# Altium PCB PCB1.PcbDoc (part 2 of 4)
Units mm, origin at the board's own origin, x right, y up, seen from the top; angles counter-clockwise.
Board outline 56.01 x 67.94 mm, 2 copper layers (Top Layer, Bottom Layer); 131 components, 109 nets, 548 pads, 93 vias.
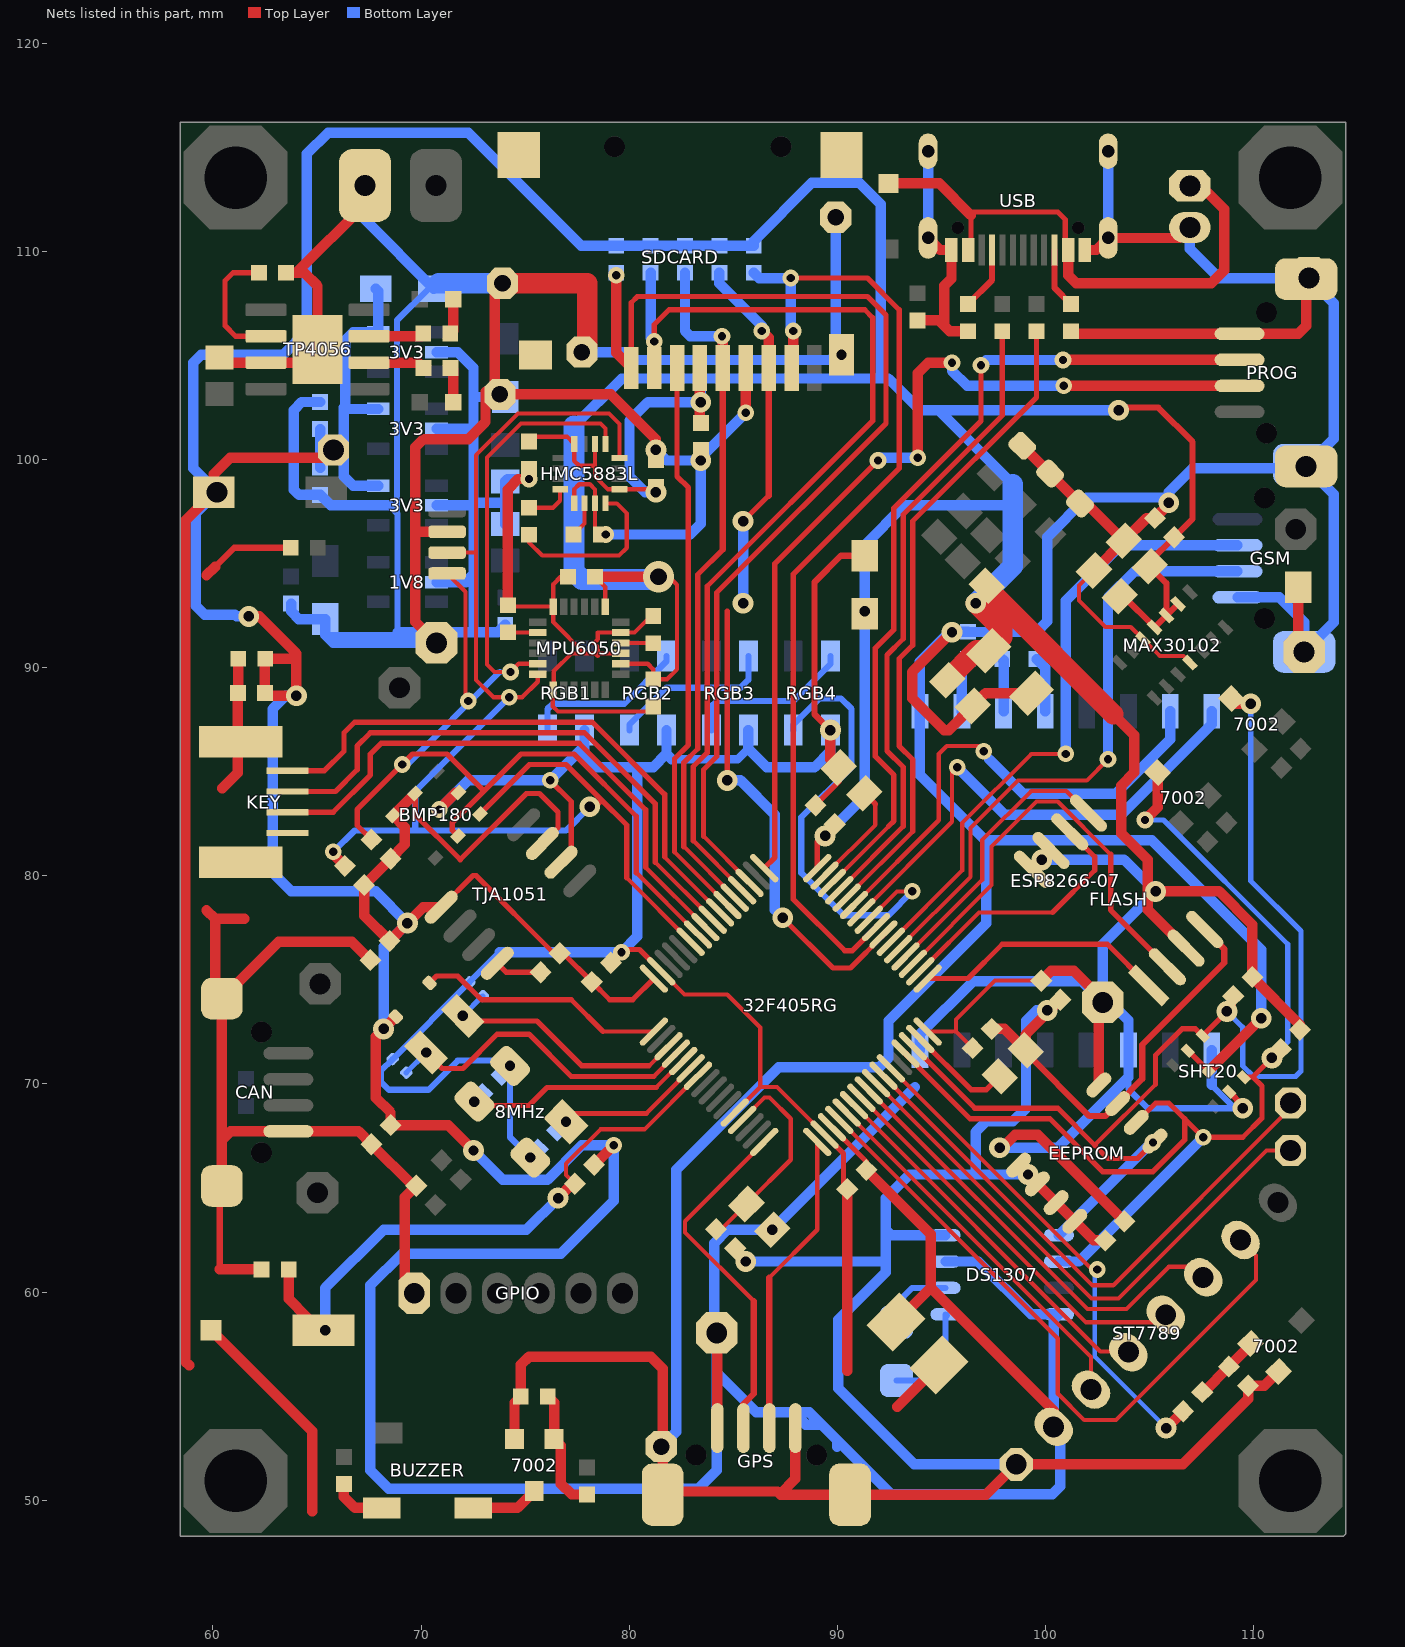
[diagram p2: the nets of this part, all layers, seen from the top]

## Via types
v1: diameter 1, hole 0.5, Top Layer to Bottom Layer, 58 vias
v2: diameter 0.8, hole 0.4, Top Layer to Bottom Layer, 33 vias
v3: diameter 1.5, hole 0.8, Top Layer to Bottom Layer, 2 vias

## Nets (pads, with @x,y where several pads share a name; then routed paths per layer and width w, separated by ;. In a path a pad name is that pad's centre, name@x,y a point inside that pad or via, vN(x,y) a via of type N, cw(c..) or ccw(c..) an arc to the next point about the centre after c; other vN are vias at no path point) (continued)
GND: 1k2.1 1K.1@69.771,65.103 1K.1@96.266,91.724 1K.2@97.917,91.709 1K.2@99.568,91.709 1V8.2 3V3.2 5K1.1@96.266,106.157 5K1.2@101.219,106.157 5V.2 8MHz.2 8MHz.4 10K.1@74.788,54.991 10K.1@109.728,55.499 10K.2@63.739,95.758 22p.1 32F405RG.12 32F405RG.18 32F405RG.63 104.1@62.342,61.087 104.1@63.754,93.076 104.1@65.151,98.298 104.1@65.151,102.758 104.1@67.564,75.946 104.1@67.612,67.104 104.1@74.041,92.06 104.1@74.041,96.887 104.1@74.041,98.947 104.1@75.184,99.553 104.1@77.059,94.361 104.1@79.121,75.819 104.1@81.28,99.979 104.1@81.153,88.138 104.1@81.153,92.471 104.1@83.439,100.457 104.1@88.948,83.391 104.1@90.472,64.945 104.1@93.853,106.68 104.1@97.409,72.644 104.1@100.711,74.041 104.1@105.253,97.185 104.2@61.214,90.424 104.2@85.09,62.103 104.2@96.504,88.154 104.2@102.87,62.484 106.1 107.1@60.325,104.888 107.1@90.059,85.201 107.1@99.044,71.612 107.2@65.405,92.329 107.2@70.612,108.204 107.2@74.041,102.997 107.2@94.885,56.499 107.2@99.323,88.764 107.2@102.327,94.663 223.1@74.168,92.994 227.2 476.2 7002.2@74.488,52.939 7002.2@111.199,56.187 -B.2 ?.2 BMP180.7 C17.2 CAN.1 CAN.@60.427,65.096 CAN.@60.427,74.096 DS1307.4 EEPROM.1 EEPROM.2 EEPROM.3 EEPROM.4 EEPROM.7 ERR.2 ESP8266-07.9 FLASH.4 GPIO.1 GPS.1 GPS.@81.606,50.267 GPS.@90.606,50.267 GSM.1 GSM.@112.42,90.75 GSM.@112.42,99.75 HMC5883L.9 HMC5883L.11 KEY.4 KEY.8 MAX30102.4 MAX30102.12 MPU6050.1 MPU6050.9 MPU6050.11 MPU6050.18 pad.7 pad.8 pad.9 pad.10 pad.13 pad.14 pad.23 pad.25 pad.26 pad.27 PROG.1 PROG.@112.517,99.661 PROG.@112.517,108.661 RESET.2 RGB1.3 RGB2.3 RGB3.3 RGB4.3 RUN.2 SDCARD.6 SDCARD.10 SHT20.2 SHT20.7 ST7789.1 TJA1051.2 TP4056.3 TP4056.9 USB.A1_B12 USB.B1_A12 USB.S1 USB.S2 USB.S3 USB.S4 | length 715.4
  Top Layer w0.2: 223.1@74.168,92.994 74.236,92.926 MPU6050.18@76.347,92.926 ; 104.1@77.059,94.361 76.708,94.361 76.347,94 MPU6050.18@76.347,92.926 ; HMC5883L.9@77.355,97.889 77.355,98.564 77.597,98.806 78.105,98.806 78.355,98.556 HMC5883L.11@78.355,97.889 78.355,96.666 476.2@78.628,96.393 v2(78.867,96.393) ; 77.601,90.682 77.22,90.682 76.372,89.834 76.372,88.963 MPU6050.1@76.347,88.938 76.327,88.918 76.327,88.138 76.581,87.884 80.899,87.884 104.1@81.153,88.138 ; 78.609,90.682 MPU6050.9@79.591,90.682 ; 104.1@81.153,92.471 81.041,92.471 80.252,91.682 MPU6050.11@79.591,91.682 78.486,91.682 78.486,91.359 78.301,91.174 78.486,90.99 78.486,90.551 78.355,90.682 77.847,90.682 76.347,92.182 MPU6050.18@76.347,92.926 ; 32F405RG.63@81.534,75.413 82.653,74.295 84.709,74.295 86.295,72.709 86.295,69.85 ; 32F405RG.12@85.07,68.625 86.295,69.85 ; 32F405RG.18@89.383,67.564 87.098,69.85 86.295,69.85 ; 107.2@102.327,94.663 101.6,93.936 101.6,93.218 102.87,91.948 104.09,91.948 MAX30102.12@104.674,91.364 105.487,90.551 106.618,90.551 MAX30102.4@106.937,90.232
  Top Layer w0.254: 107.1@60.325,104.888 107.1@60.565,104.648 ; TP4056.9@64.389,104.648 TP4056.9@65.024,105.283 ; BMP180.7@71.673,83.992 BMP180.7@71.8,83.992 ; v2(76.2,84.582) 77.216,83.566 77.216,81.144 TJA1051.2@76.724,80.652 ; 104.1@79.121,75.819 v2(79.629,76.327) 79.756,76.454 80.494,76.454 32F405RG.63@81.534,75.413 ; 104.1@88.948,83.391 90.059,84.502 107.1@90.059,85.201 ; 32F405RG.18@89.383,67.564 90.297,66.651 90.297,65.121 104.1@90.472,64.945 ; SHT20.2@106.833,71.602 SHT20.7@107.823,70.612
  Top Layer w0.3: 60.106,94.844 61.02,95.758 10K.2@63.739,95.758 ; 60.325,61.087 60.325,64.994 CAN.@60.427,65.096 ; v1(89.662,86.995) 88.9,87.757 88.9,94.107 90.17,95.377 227.2@91.313,95.377 ; 107.1@99.044,71.612 99.044,71.517 102.108,68.453 102.861,68.453 EEPROM.7@103.459,69.051 104.648,70.24 104.648,71.882 108.585,75.819 108.585,76.481 FLASH.4@107.645,77.421
  Top Layer w0.5: 59.69,78.341 60.106,77.925 ; 59.69,94.428 60.106,94.844 ; RESET.2@59.911,58.166 64.77,53.307 64.77,49.472 ; 60.325,61.087 104.1@62.342,61.087 ; CAN.@60.427,65.096 60.427,67.285 ; 60.452,84.201 61.199,84.948 KEY.8@61.199,86.578 ; 107.1@60.565,104.648 TP4056.3@62.549,104.648 TP4056.9@64.389,104.648 ; 104.2@61.214,90.424 61.214,88.788 C17.2@61.199,88.773 KEY.8@61.199,86.578 ; KEY.8@61.341,86.436 KEY.8@61.199,86.578 ; 61.506,77.925 60.106,77.925 ; 61.912,75.582 63.166,76.835 ; 1k2.1@63.515,108.966 64.008,108.966 ; TP4056.9@65.024,105.283 65.024,108.331 64.389,108.966 64.008,108.966 ; -B.2@67.31,113.157 67.31,112.268 64.008,108.966 ; 104.1@67.564,75.946 66.675,76.835 63.166,76.835 ; GPIO.1@69.676,59.944 69.215,60.405 69.215,64.546 1K.1@69.771,65.103 69.614,65.103 104.1@67.612,67.104 66.996,67.721 CAN.1@63.627,67.721 60.863,67.721 60.427,67.285 ; pad.13@70.739,91.186 69.723,92.202 69.723,96.52 ; v2(70.866,83.185) BMP180.7@71.673,83.992 ; ?.2@71.247,96.52 69.723,96.52 ; pad.14@73.914,108.458 73.533,108.077 pad.23@73.533,103.251 ; 223.1@74.168,92.994 74.168,98.552 74.676,99.06 v2(75.184,99.06) ; 7002.2@74.488,52.939 74.488,54.691 10K.1@74.788,54.991 74.788,56.5 75.184,56.896 81.026,56.896 81.606,56.316 GPS.@81.606,50.982 ; v1(81.28,100.457) 81.28,100.965 79.121,103.124 pad.23@73.787,103.124 73.533,103.124 pad.23@73.533,103.251 ; GPS.@81.606,50.267 GPS.@81.606,50.982 ; v2(85.596,102.235) SDCARD.6@85.596,104.394 ; GPS.1@87.981,53.467 87.981,51.024 87.249,50.292 ; v1(89.662,86.995) 89.662,85.598 107.1@90.059,85.201 ; 90.472,56.213 104.1@90.472,64.945 ; 92.87,54.483 107.2@94.885,56.499 ; 104.1@93.853,106.68 94.869,106.68 95.138,106.411 ; USB.S2@94.354,110.638 94.934,110.058 USB.B1_A12@95.479,110.058 95.479,108.687 95.138,108.346 95.138,106.411 ; v1(95.504,91.694) 93.599,89.789 93.599,88.519 95.123,86.995 95.344,86.995 104.2@96.504,88.154 97.113,88.764 107.2@99.323,88.764 ; 5K1.1@96.266,106.157 95.392,106.157 95.138,106.411 ; 104.1@97.409,72.644 98.011,72.644 107.1@99.044,71.612 99.044,72.374 104.1@100.711,74.041 ; EEPROM.1@98.707,66.095 EEPROM.2@99.605,65.197 EEPROM.3@100.503,64.299 EEPROM.4@101.401,63.401 102.318,62.484 104.2@102.87,62.484 ; ERR.2@98.878,100.656 RUN.2@100.217,99.317 3V3.2@101.654,97.88 101.983,97.88 106.1@103.764,96.1 ; 5K1.2@101.219,106.157 101.34,106.036 PROG.1@109.317,106.036 112.132,106.036 112.517,106.421 PROG.@112.517,108.661 ; USB.A1_B12@101.879,110.058 102.424,110.058 USB.S1@103.004,110.638 106.431,110.638 5V.2@106.934,111.141 ; 107.2@102.327,94.663 106.1@103.764,96.1 ; v1(105.918,97.917) 105.918,97.85 104.1@105.253,97.185 104.849,97.185 106.1@103.764,96.1 ; SHT20.7@107.823,70.612 v1(110.363,73.152) ; 7002.2@111.199,56.187 110.51,55.499 10K.1@109.728,55.499 109.728,54.864 106.59,51.726 ST7789.1@98.589,51.726 97.13,50.267 GPS.@90.606,50.267 87.274,50.267 87.249,50.292 ; 227.2@112.141,93.853 112.141,91.029 pad.9@112.42,90.75 ; 60.106,77.925 60.106,74.417 CAN.@60.427,74.096 ; 60.427,67.285 CAN.@60.427,74.096 ; CAN.@60.427,74.096 63.166,76.835 ; 69.723,96.52 69.723,100.584 70.109,100.97 72.268,100.97 73.094,101.796 73.094,103.251 pad.23@73.533,103.251 ; GPS.@81.606,50.982 82.169,50.419 87.122,50.419 87.249,50.292
  Top Layer w1: pad.14@73.914,108.458 77.978,108.458 77.978,105.41 pad.25@77.724,105.156
  Bottom Layer w0.3: 107.2@65.405,91.567 68.834,91.567 ; 68.478,97.79 68.842,97.426 ; 68.869,91.694 68.869,97.399 68.842,97.426 ; 107.2@70.612,108.204 70.358,108.204 68.842,106.688 68.842,97.426 ; 73.768,76.327 22p.1@72.317,74.876 22p.1@68.634,71.193 68.072,70.631 68.072,70.104 68.453,69.723 70.358,69.723 71.755,71.12 74.016,71.12 v1(74.273,70.864) 74.273,67.438 v1(75.247,66.464) ; 92.075,61.468 92.329,61.722
  Bottom Layer w0.4: 82.042,85.598 85.217,85.598 85.725,86.106
  Bottom Layer w0.5: 104.1@63.754,93.076 63.754,92.695 64.12,92.329 107.2@65.405,92.329 65.405,91.567 65.786,91.186 pad.13@70.739,91.186 ; 104.1@65.151,102.758 64.277,102.758 63.881,102.362 63.881,98.552 64.135,98.298 104.1@65.151,98.298 65.659,97.79 68.478,97.79 ; pad.7@67.31,113.157 67.31,111.506 107.2@70.612,108.204 107.2@70.866,108.458 ; 68.869,91.694 72.517,91.694 ; 1V8.2@70.742,94.107 72.136,94.107 72.517,94.488 ; 3V3.2@70.742,97.79 72.39,97.79 72.517,97.663 ; 3V3.2@70.742,101.473 72.39,101.473 72.517,101.346 ; 3V3.2@70.742,105.156 71.755,105.156 72.517,104.394 72.517,102.997 ; v2(70.866,83.185) 72.263,84.582 v2(76.2,84.582) 77.851,86.233 ; 73.768,76.327 v2(79.629,76.327) 80.391,77.089 80.391,85.217 ; 104.1@74.041,92.06 73.675,91.694 72.517,91.694 ; 104.1@74.041,96.887 74.041,97.917 ; 107.2@74.041,102.997 72.517,102.997 ; v2(75.184,99.06) 74.154,99.06 104.1@74.041,98.947 74.041,97.917 ; pad.25@77.724,105.156 79.756,105.156 80.137,104.775 89.662,104.775 89.916,105.029 pad.26@89.916,111.633 ; RGB1.3@77.851,86.995 77.851,86.233 ; v2(78.867,96.393) 82.931,96.393 83.439,96.901 v1(83.439,99.949) ; v1(81.28,100.457) 81.788,99.949 v1(83.439,99.949) ; pad.27@81.534,52.578 82.256,53.3 82.256,65.873 87.184,70.801 92.01,70.801 92.456,71.247 92.456,73.025 97.155,77.724 97.155,81.661 ; RGB2.3@81.788,86.995 81.788,85.852 ; 82.042,85.598 81.788,85.852 ; v2(85.596,102.235) 83.439,100.078 v1(83.439,99.949) ; v1(85.598,61.468) 92.075,61.468 ; RGB3.3@85.725,86.995 85.725,86.106 86.614,85.217 88.9,85.217 89.662,85.979 v1(89.662,86.995) ; USB.S2@94.354,110.638 USB.S4@94.354,114.808 ; DS1307.4@95.192,62.738 92.583,62.738 92.329,62.992 ; ST7789.1@98.589,51.726 93.689,51.726 90.043,55.372 90.043,58.674 92.329,60.96 92.329,61.722 92.329,62.992 ; v1(99.156,65.646) 96.774,65.646 ; v1(100.076,73.533) 99.568,73.533 99.06,73.025 99.06,68.834 98.425,68.199 97.155,68.199 96.647,67.691 96.647,65.773 96.774,65.646 ; USB.S1@103.004,110.638 USB.S3@103.004,114.808 ; 5V.2@106.934,111.141 106.934,110.109 108.331,108.712 pad.10@112.649,108.712 113.85,107.511 113.85,100.994 pad.8@112.517,99.661 ; GSM.1@109.22,93.375 111.222,93.375 112.42,92.177 pad.9@112.42,90.75 113.85,92.18 113.85,98.328 pad.8@112.517,99.661 ; v1(110.363,73.152) 110.363,76.454 105.105,81.712 97.155,81.712 97.155,81.661 ; 72.517,91.694 72.517,94.488 ; 72.517,94.488 72.517,97.663 ; 72.517,97.663 72.517,98.044 ; 72.517,98.044 72.644,97.917 74.041,97.917 ; 72.517,98.044 72.517,101.346 ; 72.517,101.346 72.517,102.997 ; 77.851,86.233 77.851,85.725 78.359,85.217 80.391,85.217 ; 80.391,85.217 81.153,85.217 81.788,85.852 ; 92.329,62.992 92.329,64.516 93.459,65.646 96.774,65.646 ; 97.155,81.661 93.964,84.852 ESP8266-07.9@93.964,87.906 93.964,90.281 95.407,91.724 1K.1@96.266,91.724 96.281,91.709 1K.2@97.917,91.709 1K.2@99.568,91.709 100.076,92.217 100.076,96.266 101.981,98.171 105.664,98.171 v1(105.918,97.917) 105.918,98.425 107.061,99.568 112.424,99.568 pad.8@112.517,99.661
  Bottom Layer w1: 107.2@70.866,108.458 pad.14@73.914,108.458
  other v1: 90.196,105.021
KEY1: 32F405RG.55 KEY.1 | length 27.8
  Top Layer w0.2: 81.699,80.906 32F405RG.55@84.363,78.242
  Top Layer w0.254: KEY.1@63.584,85.049 65.364,85.049 66.294,85.979 66.294,86.868 66.802,87.376 78.232,87.376 81.699,83.909 81.699,80.906
KEY2: 32F405RG.56 KEY.2 | length 27.6
  Top Layer w0.2: 81.245,80.653 32F405RG.56@84.009,77.888
  Top Layer w0.254: KEY.2@63.584,84.049 65.888,84.049 66.929,85.09 66.929,86.233 67.564,86.868 77.851,86.868 81.245,83.474 81.245,80.653
KEY3: 32F405RG.57 KEY.3 | length 27.3
  Top Layer w0.2: 80.791,80.399 32F405RG.57@83.656,77.535
  Top Layer w0.254: KEY.3@63.584,83.049 65.777,83.049 67.564,84.836 67.564,85.852 68.072,86.36 77.597,86.36 80.791,83.166 80.791,80.399
LCD_BL: 1K.1@106.601,54.277 32F405RG.27 | length 24.1
  Top Layer w0.2: 32F405RG.27@92.565,70.746 102.11,61.202 102.374,61.202 v2(102.489,61.087)
  Top Layer w0.5: v1(105.791,53.467) 1K.1@106.601,54.277
  Bottom Layer w0.2: v2(102.489,61.087) 102.362,60.96 102.362,56.896 105.537,53.721 v1@105.791,53.721
LCD_CSN: 32F405RG.26 pad.19 | length 27.5
  Top Layer w0.2: 32F405RG.26@92.212,70.393 92.212,70.366 102.253,60.325 103.251,60.325 111.76,68.834 pad.19@111.76,69.088
LCD_DC: 32F405RG.25 pad.20 | length 27.1
  Top Layer w0.2: 32F405RG.25@91.858,70.039 102.208,59.69 103.505,59.69 110.617,66.802 pad.20@111.76,66.802
LCD_RESET: 32F405RG.24 ST7789.6 | length 21.5
  Top Layer w0.2: 32F405RG.24@91.505,69.686 102.008,59.182 103.886,59.182 105.918,61.214 107.061,61.214 ST7789.6@107.569,60.706
NetBUZZER?_1: 100.2 BUZZER.1 | length 2.7
  Top Layer w0.5: 100.2@66.294,50.785 66.294,50.165 66.824,49.635 BUZZER.1@68.108,49.635
NetBUZZER?_2: 7002.3@75.438,50.439 BUZZER.2 | length 3.3
  Top Layer w0.5: BUZZER.2@72.51,49.635 74.634,49.635 7002.3@75.438,50.439
NetC15_1: 10uH.2 32F405RG.13 104.1@84.171,63.022 | length 10.1
  Top Layer w0.2: 104.1@84.171,63.022 84.423,63.022 10uH.2@85.631,64.229 87.757,66.356 87.757,68.326 86.741,69.342 86.494,69.342 32F405RG.13@85.424,68.272
NetC19_1: 476.1 HMC5883L.10 | length 1.7
  Top Layer w0.2: 476.1@77.328,96.393 77.855,96.92 HMC5883L.10@77.855,97.889
NetC19_2: 
NetC22_1: 223.1@75.184,97.678 HMC5883L.8 | length 2.2
  Top Layer w0.2: 223.1@75.184,97.678 76.342,97.678 76.68,98.016 HMC5883L.8@76.68,98.564
NetC22_2: 223.2@75.184,96.378 HMC5883L.12 | length 8.4
  Top Layer w0.2: 223.2@75.184,96.378 75.184,96.012 75.819,95.377 79.502,95.377 79.883,95.758 79.883,97.409 79.403,97.889 HMC5883L.12@78.855,97.889
NetC30_2: 104.2@81.153,91.171 MPU6050.10 | length 1.6
  Top Layer w0.2: MPU6050.10@79.591,91.182 81.142,91.182 104.2@81.153,91.171
NetC31_2: 223.2@74.168,91.694 MPU6050.20 | length 1.4
  Top Layer w0.2: 223.2@74.168,91.694 74.18,91.682 MPU6050.20@75.603,91.682
NetC33_2: 32F405RG.47 107.2@91.297,83.963 | length 5.2
  Top Layer w0.2: 32F405RG.47@89.383,80.01 91.821,82.447 91.821,83.439
  Top Layer w0.254: 107.2@91.297,83.963 91.821,83.439
NetC34_2: 32F405RG.31 107.2@97.806,70.374 | length 5.1
  Top Layer w0.254: 32F405RG.31@93.98,72.161 96.417,69.723 97.155,69.723 107.2@97.806,70.374
NetC38_1: 
NetD?_2: 32F405RG.1 4148.2 | length 12
  Top Layer w0.2: 78.743,72.514 32F405RG.1@81.181,72.514
  Top Layer w0.254: 4148.2@70.404,74.849 70.739,75.184 71.755,75.184 72.898,74.041 77.216,74.041 78.743,72.514
NetJ1_A8: 5K1.2@96.266,107.457 USB.A8 | length 3.2
  Top Layer w0.2: USB.A8@97.379,110.008 USB.A8@97.429,110.058
  Top Layer w0.3: 5K1.2@96.266,107.457 97.429,108.62 USB.A8@97.429,110.058
NetJ1_B8: 5K1.1@101.219,107.457 USB.B8 | length 2.9
  Top Layer w0.3: USB.B8@100.429,110.058 100.429,108.247 5K1.1@101.219,107.457
NetLED1_2: 1k.2@71.419,104.394 OFF.2 | length 1.7
  Top Layer w0.254: 1k.2@71.419,104.394 1k.2@71.539,104.274
  Top Layer w0.5: OFF.2@71.539,102.743 1k.2@71.539,104.274
NetLED2_2: 1k.2@71.404,106.045 CHRG.2 | length 1.7
  Top Layer w0.254: 1k.2@71.404,106.045 1k.2@71.539,106.18
  Top Layer w0.5: 1k.2@71.539,106.18 CHRG.2@71.539,107.696
NetLED3_4: RGB1.4 RGB2.2 | length 7.9
  Bottom Layer w0.3: RGB1.4@76.073,86.995 76.073,88.011 76.327,88.265 79.756,88.265 81.788,90.297 RGB2.2@81.788,90.551
NetLED4_4: RGB2.4 RGB3.2 | length 8
  Bottom Layer w0.3: RGB2.4@80.01,86.995 80.01,87.249 81.788,89.027 85.344,89.027 85.725,89.408 RGB3.2@85.725,90.551
NetLED5_4: RGB3.4 RGB4.2 | length 8.1
  Bottom Layer w0.3: RGB3.4@83.947,86.995 83.947,88.138 84.201,88.392 87.884,88.392 89.662,90.17 RGB4.2@89.662,90.551
NetM1_10: 1K.2@96.266,90.424 ESP8266-07.10 | length 2.6
  Bottom Layer w0.5: ESP8266-07.10@95.981,87.909 95.981,90.139 1K.2@96.266,90.424
NetM1_11: 1K.1@97.917,90.409 ESP8266-07.11 | length 2.5
  Bottom Layer w0.5: 1K.1@97.917,90.409 97.981,90.345 ESP8266-07.11@97.981,87.909
NetM1_12: 1K.1@99.568,90.409 ESP8266-07.12 | length 2.7
  Bottom Layer w0.5: 1K.1@99.568,90.409 99.981,89.996 ESP8266-07.12@99.981,87.909
NetR2_2: 1K.2@77.978,50.277 10K.2@76.088,54.991 7002.1@76.388,52.939 | length 5.9
  Top Layer w0.5: 10K.2@76.088,54.991 76.388,54.691 7002.1@76.388,52.939 76.708,52.619 76.708,50.8 77.231,50.277 1K.2@77.978,50.277
NetR12_1: 1k.1@70.119,104.394 TP4056.6 | length 2.7
  Top Layer w0.254: 1k.1@69.865,104.648 1k.1@70.119,104.394
  Top Layer w0.5: TP4056.6@67.499,104.648 1k.1@69.865,104.648
NetR13_1: 1k.1@70.104,106.045 TP4056.7 | length 2.7
  Top Layer w0.254: 1k.1@69.977,105.918 1k.1@70.104,106.045
  Top Layer w0.5: TP4056.7@67.499,105.918 1k.1@69.977,105.918
NetR14_2: 1k2.2 TP4056.2 | length 6.1
  Top Layer w0.254: 1k2.2@62.215,108.966 60.96,108.966 60.579,108.585 60.579,106.426 61.087,105.918 TP4056.2@62.549,105.918
NetR20_2: 1K.2@107.521,55.197 10K.2@108.809,56.418 7002.1@109.855,57.531 | length 3.3
  Top Layer w0.5: 1K.2@107.521,55.197 107.587,55.197 10K.2@108.809,56.418 109.855,57.464 7002.1@109.855,57.531
NetR22_2: 10K.2@75.74,75.359 TJA1051.8 | length 2.3
  Top Layer w0.254: TJA1051.8@73.662,75.794 74.097,75.359 10K.2@75.74,75.359
NetU3_1: 32.768KHz.2 DS1307.1 | length 5
  Bottom Layer w0.3: 32.768KHz.2@92.837,55.75 94.104,55.75 95.192,56.838 DS1307.1@95.192,58.928 DS1307.1@95.25,58.87
NetU3_2: 32.768KHz.1 DS1307.2 | length 3.6
  Bottom Layer w0.3: 32.768KHz.1@92.837,58.55 92.837,59.436 93.599,60.198 DS1307.2@95.192,60.198
OSC321: 22p.2@72.971,74.222 32F405RG.3 32K.2 | length 12.6
  Top Layer w0.2: 80.947,70.866 32F405RG.3@81.888,71.807
  Top Layer w0.254: v1(72,73.27) 72.245,73.025 75.565,73.025 77.724,70.866 80.947,70.866
  Bottom Layer w0.254: v1(72,73.27) 72.952,74.222 22p.2@72.971,74.222
OSC322: 22p.2@69.288,70.539 32F405RG.4 32K.1 | length 15.7
  Top Layer w0.2: 81.179,70.358 32F405RG.4@82.209,71.388
  Top Layer w0.254: v1(70.24,71.51) 71.011,70.739 72.009,70.739 73.66,72.39 75.184,72.39 77.216,70.358 81.179,70.358 ; 32F405RG.4@82.209,71.388 82.209,71.454 32F405RG.4@82.242,71.454
  Bottom Layer w0.254: 22p.2@69.288,70.539 70.24,71.491 v1(70.24,71.51)
OSC_IN: 8MHz.3 22p.2@72.946,69.517 32F405RG.5 | length 11
  Top Layer w0.2: 81.294,69.831 32F405RG.5@82.563,71.1
  Top Layer w0.254: v1(72.56,69.151) 72.75,68.961 75.184,68.961 76.054,69.831 81.294,69.831 ; 32F405RG.5@82.563,71.1 32F405RG.5@82.595,71.1
OSC_OUT: 8MHz.1 22p.2@76.533,67.77 32F405RG.6 | length 7.1
  Top Layer w0.2: 80.815,68.58 32F405RG.6@82.916,70.681
  Top Layer w0.254: v1(76.96,68.177) 77.363,68.58 80.815,68.58 ; 32F405RG.6@82.916,70.681 82.916,70.746 32F405RG.6@82.949,70.746
RESET: 10K.1@77.391,65.199 32F405RG.7 104.2@63.642,61.087 RESET.1 | length 29.1
  Top Layer w0.2: 10K.1@77.391,65.199 76.962,65.629 76.962,66.167 78.613,67.818 80.727,67.818 32F405RG.7@83.302,70.393
  Top Layer w0.5: 104.2@63.642,61.087 63.642,59.675 64.516,58.801 65.151,58.166 RESET.1@65.311,58.166 v1(65.405,58.166) ; v1(76.581,64.516) 77.264,65.199 10K.1@77.391,65.199
  Bottom Layer w0.5: v1(65.405,58.166) 65.405,60.198 68.199,62.992 75.057,62.992 v1(76.581,64.516)
RGB: 32F405RG.41 RGB4.4 | length 22
  Top Layer w0.2: 32F405RG.41@91.505,77.888 92.864,79.248 v2(93.599,79.248)
  Bottom Layer w0.3: RGB4.4@87.884,86.995 87.884,87.249 89.154,88.519 90.17,88.519 90.678,88.011 90.678,85.217 88.265,82.804 88.265,80.137 90.297,78.105 92.456,78.105 v2(93.599,79.248)
RXD1: 32F405RG.42 ESP8266-07.16 | length 24.6
  Top Layer w0.2: 32F405RG.42@91.151,78.242 95.504,82.595 95.504,85.217 v2(95.758,85.217)
  Bottom Layer w0.5: v2(95.758,85.217) 98.044,82.931 103.632,82.931 107.981,87.28 ESP8266-07.16@107.981,87.909
RXD2_GPS: 32F405RG.17 GPS.2 | length 14.2
  Top Layer w0.2: 86.721,60.686 89.03,62.995 32F405RG.17@89.03,67.211
  Top Layer w0.3: GPS.2@86.721,53.975 86.721,60.686
RXD6_GSM: 32F405RG.38 GSM.3 | length 30.2
  Top Layer w0.2: 32F405RG.38@92.565,76.828 95.993,80.255 95.993,82.531 99.314,85.852 v2(100.965,85.852)
  Bottom Layer w0.5: v2(100.965,85.852) 100.965,93.218 103.622,95.875 GSM.3@109.22,95.875
SCL1: 4K7.2@67.612,81.74 32F405RG.58 ?.4 BMP180.5 HMC5883L.1 MPU6050.23 | length 62.6
  Top Layer w0.2: ?.4@71.247,94.52 72.127,93.641 72.127,88.528 v2(72.263,88.392) 72.263,88.176 72.244,88.157 v2@72.263,88.138 ; MPU6050.23@75.603,90.182 74.688,90.182 v2(74.295,89.789) 73.533,89.789 73.171,90.151 73.171,100.095 74.803,101.727 78.613,101.727 78.855,101.485 HMC5883L.1@78.855,100.739 ; 80.337,80.146 32F405RG.58@83.302,77.181
  Top Layer w0.254: 4K7.2@67.612,81.74 66.929,82.423 66.929,83.185 v2(69.088,85.344) 69.596,85.852 71.247,85.852 73.025,84.074 ; BMP180.5@71.764,81.906 71.501,82.169 71.501,82.55 73.025,84.074 ; 80.337,80.146 80.337,82.858 77.343,85.852 74.803,85.852 73.025,84.074
  Bottom Layer w0.2: v2(69.088,85.344) v2@69.215,85.217 ; 73.787,89.789 v2(74.295,89.789)
  Bottom Layer w0.3: v2@69.215,85.217 73.787,89.789
SCL2: 4K7.2@111.3,71.676 32F405RG.29 7002.3@105.384,84.96 DS1307.6 EEPROM.6 SHT20.6 | length 56.5
  Top Layer w0.254: 32F405RG.29@93.272,71.454 93.305,71.454 93.305,71.388 96.367,68.326 100.203,68.326 102.743,65.786 105.156,65.786 106.68,67.31 106.68,68.326 ; EEPROM.6@104.357,68.153 105.292,69.088 105.918,69.088 106.68,68.326 ; SHT20.6@109.52,70.329 109.953,70.329 ; 4K7.2@111.3,71.676 109.953,70.329 ; 106.68,68.326 v2(107.569,67.437) 109.474,67.437 110.392,68.355 110.392,69.89 109.953,70.329
  Top Layer w0.5: v2(104.775,82.677) 105.384,83.286 7002.3@105.384,84.96
  Bottom Layer w0.254: v2(104.775,82.677) 105.664,82.677 111.633,76.708 111.633,72.009 v1(110.871,71.247)
  Bottom Layer w0.5: DS1307.6@100.642,61.468 101.6,61.468 v2(107.569,67.437)
SCL3: 
SDA1: 4K7.2@66.342,80.47 32F405RG.59 ?.3 BMP180.6 HMC5883L.16 MPU6050.24 | length 65
  Top Layer w0.2: ?.3@71.247,95.52 72.628,95.52 72.644,95.504 ; MPU6050.24@75.603,89.682 75.603,89.319 74.857,88.573 v2(74.241,88.573) 73.479,88.573 72.644,89.408 72.644,95.504 ; HMC5883L.16@79.53,100.064 79.53,101.699 79.022,102.207 74.648,102.207 72.644,100.203 72.644,95.504 ; 79.883,79.893 32F405RG.59@82.949,76.828
  Top Layer w0.254: BMP180.6@72.825,82.966 75.203,85.344 76.962,85.344 78.613,83.693 ; v1(78.105,83.312) 78.359,83.312 78.613,83.566 78.613,83.693 ; 79.883,79.893 79.883,82.423 78.613,83.693
  Top Layer w0.5: v2(65.786,81.153) 65.786,81.026 4K7.2@66.342,80.47
  Bottom Layer w0.3: v2(65.786,81.153) 66.802,82.169 69.723,82.169 ; v2(74.241,88.573) 69.723,84.056 69.723,82.169 ; v1(78.105,83.312) 76.962,82.169 69.723,82.169
SDA2: 4K7.2@109.014,74.216 32F405RG.30 7002.3@108.93,88.506 DS1307.5 EEPROM.5 SHT20.1 | length 57.2
  Top Layer w0.2: 102.362,67.056 105.283,69.977
  Top Layer w0.254: 32F405RG.30@93.626,71.807 96.599,68.834 100.584,68.834 102.362,67.056 102.997,66.421 104.421,66.421 EEPROM.5@105.255,67.255 ; 105.283,69.977 105.283,71.374 106.553,72.644 107.205,72.644 SHT20.1@107.54,72.309 v1(108.712,73.481) 109.014,73.783 4K7.2@109.014,74.216
  Top Layer w0.5: 7002.3@108.93,88.506 109.17,88.265 v1(109.855,88.265)
  Bottom Layer w0.254: v2@105.087,67.183 v2(105.156,67.183) ; v1(108.712,73.481) 109.474,72.719 109.474,70.866 109.982,70.358 112.014,70.358 112.268,70.612 112.268,77.343 109.855,79.756 v1(109.855,88.265)
  Bottom Layer w0.5: DS1307.5@100.642,62.738 v2@105.087,67.183
SDA3: 
SDIO_CLK: 32F405RG.53 R26.2 SDCARD.5 | length 33.5
  Top Layer w0.2: 82.623,81.396 32F405RG.53@85.07,78.949
  Top Layer w0.254: 82.623,81.396 82.623,85.431 83.293,86.101 83.293,94.469 84.496,95.672
  Top Layer w0.3: 84.496,95.672 SDCARD.5@84.496,104.394
  Top Layer w0.5: v2(84.455,105.918) 84.496,105.877 SDCARD.5@84.496,104.394
  Bottom Layer w0.5: R26.2@82.677,108.966 82.677,106.172 82.931,105.918 v2(84.455,105.918)
SDIO_CMD: 32F405RG.54 SDCARD.3 | length 27.6
  Top Layer w0.2: 82.169,81.143 32F405RG.54@84.716,78.595
  Top Layer w0.254: 82.169,81.143 82.169,85.619 82.839,86.289 82.839,98.644 82.296,99.187 SDCARD.3@82.296,104.394 SDCARD.3@82.296,104.648
SDIO_D0: 32F405RG.39 R25.2 SDCARD.7 | length 40.6
  Top Layer w0.254: v1(84.709,84.582) 84.709,92.71 ; v1@85.217,96.774 v1(85.471,97.028) 86.696,98.253 ; v1@87.376,78.105 v1(87.376,77.978) 89.789,75.565 90.628,75.565 92.179,77.116 92.179,77.181 32F405RG.39@92.212,77.181
  Top Layer w0.3: 86.696,98.253 SDCARD.7@86.696,104.394
  Top Layer w0.5: v2(86.36,106.172) 86.696,105.836 SDCARD.7@86.696,104.394
  Bottom Layer w0.254: 86.995,78.359 v1(87.376,77.978)
  Bottom Layer w0.5: R25.2@84.328,108.966 84.328,108.458 86.36,106.426 v2(86.36,106.172) ; v1(84.709,84.582) 85.344,84.582 86.995,82.931 86.995,78.359 ; v1(85.471,93.091) v1(85.471,97.028)
SDIO_D1: 5X10K.2 32F405RG.40 SDCARD.8 | length 48
  Top Layer w0.254: v2(87.757,108.712) 91.44,108.712 92.964,107.188 92.964,99.568 87.884,94.488 87.884,78.867 90.351,76.4 90.724,76.4 32F405RG.40@91.858,77.535
  Top Layer w0.5: SDCARD.8@87.796,104.394 87.884,104.482 v2(87.884,106.172)
  Bottom Layer w0.5: 5X10K.2@85.979,108.966 86.233,108.712 v2(87.757,108.712) 87.757,106.299 v2(87.884,106.172)
SDIO_D2: 32F405RG.51 R27.2@79.375,108.966 SDCARD.1 | length 52.4
  Top Layer w0.2: 83.566,81.9 32F405RG.51@85.777,79.689
  Top Layer w0.254: SDCARD.1@80.096,104.394 80.096,107.528 80.391,107.823 91.44,107.823 92.329,106.934 92.329,101.727 84.201,93.599 84.201,85.725 83.566,85.09 83.566,81.9 ; 32F405RG.51@85.777,79.656 32F405RG.51@85.777,79.689
  Top Layer w0.5: v2(79.375,108.839) 79.375,105.115 SDCARD.1@80.096,104.394
SDIO_D3: 32F405RG.52 R27.2@81.026,108.966 SDCARD.2 | length 48.4
  Top Layer w0.2: 83.077,81.682 32F405RG.52@85.424,79.335
  Top Layer w0.254: v2(81.196,105.664) 81.196,106.469 81.915,107.188 91.313,107.188 91.694,106.807 91.694,101.854 83.747,93.907 83.747,85.913 83.077,85.243 83.077,81.682 ; 32F405RG.52@85.424,79.302 32F405RG.52@85.424,79.335
  Top Layer w0.5: SDCARD.2@81.196,104.394 v2(81.196,105.664)
  Bottom Layer w0.5: R27.2@81.026,108.966 81.026,105.834 v2(81.196,105.664)
SPI1_CS: 32F405RG.20 ST7789.7 | length 32.6
  Top Layer w0.2: 32F405RG.20@90.09,68.272 100.584,57.778 100.584,55.119 101.855,53.848 103.378,53.848 110.109,60.579 110.109,61.758 ST7789.7@109.365,62.502
SPI1_MISO: 32F405RG.22 ST7789.4 | length 18.1
  Top Layer w0.2: 32F405RG.22@90.798,68.979 102.626,57.15 103.941,57.15 ST7789.4@103.977,57.114
SPI1_MOSI: 32F405RG.23 ST7789.5 | length 19.2
  Top Layer w0.2: 32F405RG.23@91.151,69.332 101.936,58.547 105.41,58.547 ST7789.5@105.773,58.91
SPI1_SCK: 32F405RG.21 ST7789.3 | length 18.2
  Top Layer w0.2: 32F405RG.21@90.444,68.625 102.181,56.888 ST7789.3@102.181,55.318
SPI2_CS_FLASH: 32F405RG.33 FLASH.1 | length 12.1
  Top Layer w0.254: 32F405RG.33@94.333,75.06 96.269,75.06 97.917,76.708 102.97,76.708 FLASH.1@104.951,74.727
SPI2_MISO: 32F405RG.35 FLASH.2 | length 21.4
  Top Layer w0.2: 32F405RG.35@93.626,75.767 97.409,79.55 97.409,81.407 99.568,83.566 100.584,83.566 103.124,81.026
  Top Layer w0.254: 103.124,81.026 103.124,78.35 FLASH.2@105.849,75.625
SPI2_MOSI: 32F405RG.36 FLASH.5 | length 13.6
  Top Layer w0.2: 32F405RG.36@93.272,76.12 96.955,79.803 96.955,81.715 99.314,84.074 100.992,84.074 FLASH.5@102.059,83.007
SPI2_SCK: 32F405RG.34 FLASH.6 | length 12.7
  Top Layer w0.2: 32F405RG.34@93.98,75.413 96.798,78.232 100.33,78.232
  Top Layer w0.254: 100.33,78.232 102.362,80.264 102.362,80.908 FLASH.6@101.161,82.109
SPI_MOSI: 
SWCLK: 32F405RG.49 PROG.3 | length 44.4
  Top Layer w0.254: 32F405RG.49@86.484,80.363 86.995,80.874 86.995,94.996 v2(91.948,99.949)
  Top Layer w0.5: v2@93.98,100.076 v2(93.853,100.076) 93.853,104.14 94.361,104.648 v2(95.504,104.648) ; v2(100.869,103.536) PROG.3@109.317,103.536
  Bottom Layer w0.5: v2(91.948,99.949) 92.075,100.076 v2(93.853,100.076) ; v2(95.504,104.648) 95.504,104.267 96.235,103.536 v2(100.869,103.536)
SWDIO: 32F405RG.46 PROG.2 | length 41.1
  Top Layer w0.2: 32F405RG.46@89.737,79.656 92.456,82.375
  Top Layer w0.254: 92.456,82.375 92.71,82.629 92.71,84.836 91.821,85.725 91.821,90.932 92.71,91.821 92.71,97.663 96.901,101.854 v2(96.901,104.521) ; v2(100.838,104.775) v2@100.849,104.786
  Top Layer w0.5: v2@100.849,104.786 PROG.2@109.317,104.786
  Bottom Layer w0.5: v2(96.901,104.521) 97.155,104.775 v2(100.838,104.775)
TXD1: 32F405RG.43 ESP8266-07.15 | length 23.2
  Top Layer w0.2: 32F405RG.43@90.798,78.595 94.869,82.667 94.869,85.852 95.25,86.233 96.774,86.233 v2(97.028,85.979)
  Bottom Layer w0.5: 97.282,85.598 98.933,83.947 103.378,83.947 105.981,86.55 ESP8266-07.15@105.981,87.909
TXD2_GPS: 32F405RG.16 GPS.3 | length 16.4
  Top Layer w0.2: GPS.3@85.471,53.975 GPS.3@85.471,54.61 ; 85.979,59.563 82.677,62.865 82.677,63.404 32F405RG.16@86.484,67.211
  Top Layer w0.3: GPS.3@85.471,54.61 85.979,55.118 85.979,59.563
TXD6_GSM: 32F405RG.37 GSM.2 | length 29.7
  Top Layer w0.2: 32F405RG.37@92.919,76.474 96.393,79.948 96.393,82.296 98.679,84.582 101.981,84.582 v2(102.997,85.598)
  Bottom Layer w0.5: v2(102.997,85.598) 102.997,93.345 104.277,94.625 GSM.2@109.22,94.625
USB_DN: 22.1@99.568,106.157 32F405RG.44 | length 31.5
  Top Layer w0.2: 32F405RG.44@90.444,78.949 93.618,82.123
  Top Layer w0.254: 93.618,82.123 93.618,85.579 92.964,86.233 92.964,90.424 93.618,91.078 93.618,97.033 99.568,102.983 22.1@99.568,106.157 ; 22.1@99.695,106.157 22.1@99.695,106.172
USP_DP: 22.1@97.917,106.157 32F405RG.45 | length 30.7
  Top Layer w0.2: 32F405RG.45@90.09,79.302 93.164,82.376
  Top Layer w0.254: 93.164,82.376 93.164,85.217 92.383,85.998 92.383,90.605 93.164,91.386 93.164,97.355 97.917,102.108 22.1@97.917,106.157
uVCC: 
VBUS: 5V.1 5819.1 USB.A4_B9 USB.B4_A9 | length 26.9
  Top Layer w0.254: USB.B4_A9@96.279,110.058 96.416,110.195 96.416,111.737 96.416,111.887 100.584,111.887 100.942,111.529 100.942,110.058 USB.A4_B9@101.079,110.058
  Top Layer w0.5: 5819.1@92.456,113.259 94.894,113.259 96.416,111.737 ; USB.A4_B9@101.079,110.058 101.092,110.045 101.092,108.839 101.473,108.458 107.95,108.458 108.585,109.093 108.585,112.014 107.458,113.141 5V.1@106.934,113.141
VCC: 3V3.5 4K7.1 5X10K.1 10K.1@76.66,76.279 10K.2@78.311,66.119 10uH.1 32F405RG.19 32F405RG.32 32F405RG.48 32F405RG.64 104.1@62.514,90.424 104.1@95.266,89.392 104.1@103.789,63.403 104.2@65.151,99.598 104.2@65.151,101.458 104.2@68.483,76.865 104.2@68.532,68.024 104.2@75.184,100.853 104.2@78.202,74.9 104.2@78.359,94.361 104.2@81.28,98.679 104.2@81.153,89.438 104.2@83.439,101.757 104.2@89.868,82.471 104.2@91.392,65.865 104.2@96.49,71.725 104.2@99.792,74.96 104.2@106.172,96.266 106.2 107.1@67.818,108.204 107.1@92.821,58.563 107.1@97.273,90.814 107.1@103.564,93.426 220.1@97.175,93.94 227.1@91.313,92.583 4148.1 BMP180.2 BMP180.3 BOOT.2 C17.1 DS1307.3 DS1307.8 EEPROM.8 ESP8266-07.1 ESP8266-07.3 ESP8266-07.8 FLASH.3 FLASH.7 FLASH.8 GPS.4 HMC5883L.2 HMC5883L.4 HMC5883L.13 MAX30102.9 MAX30102.10 MAX30102.11 MPU6050.8 MPU6050.13 pad.16 pad.21 pad.22 pad.28 R25.1 R26.1 R27.1 SDCARD.4 SHT20.5 ST7789.2 TJA1051.3 TJA1051.5 | length 589.5
  Top Layer w0.2: 104.2@75.184,100.853 75.423,101.092 77.002,101.092 HMC5883L.4@77.355,100.739 77.355,99.937 77.597,99.695 78.355,99.695 ; HMC5883L.2@78.355,100.739 78.355,99.695 ; 104.2@78.359,94.361 78.847,93.873 MPU6050.13@78.847,92.926 ; MPU6050.8@79.591,90.182 80.887,90.182 81.153,89.916 104.2@81.153,89.438 81.818,89.438 82.296,89.916 82.296,93.98 81.915,94.361 v3(81.407,94.361) ; 104.2@81.165,98.564 HMC5883L.13@79.53,98.564 78.982,98.564 78.355,99.191 78.355,99.695 ; 32F405RG.32@94.333,72.514 95.7,72.514 ; 104.2@96.49,71.725 95.7,72.514 ; 104.2@99.792,74.96 97.566,74.96 95.7,73.094 95.7,72.514 ; 4K7.1@112.22,72.596 4K7.1@112.22,72.85
  Top Layer w0.254: BMP180.2@69.714,83.956 69.714,82.94 71.882,80.772 75.057,83.947 75.692,83.947 76.581,83.058 76.581,82.305 TJA1051.3@75.826,81.55 ; TJA1051.5@70.968,78.488 72.49,80.01 72.644,80.01 76.375,76.279 10K.1@76.66,76.279 76.823,76.279 104.2@78.202,74.9 79.061,74.041 80.162,74.041 32F405RG.64@81.181,75.06 ; 104.2@83.396,101.8 104.2@83.439,101.757 ; 32F405RG.48@89.03,80.363 v1@89.03,81.634 ; 32F405RG.19@89.737,67.918 91.392,66.263 104.2@91.392,65.865
  Top Layer w0.3: v1(103.505,102.362) 103.632,102.489 105.41,102.489 107.061,100.838 107.061,97.155 104.2@106.172,96.266 105.001,95.095 106.2@105.001,94.862 105.806,94.058 MAX30102.10@105.806,92.495 ; 107.1@103.564,93.426 103.744,93.426 MAX30102.11@105.24,91.929 MAX30102.10@105.806,92.495 ; MAX30102.9@106.371,93.061 MAX30102.10@105.806,92.495 ; SHT20.5@108.813,69.622 109.474,68.961 v1(109.474,68.834)
  Top Layer w0.5: 58.859,56.478 58.674,56.663 58.674,97.061 BOOT.2@60.038,98.425 60.038,99.281 60.833,100.076 65.405,100.076 pad.21@65.786,100.457 ; v1(61.722,92.456) 62.23,92.456 64.008,90.678 64.008,90.424 ; 4148.1@68.788,73.233 v1(68.199,72.644) 67.818,72.263 67.818,69.342 68.532,68.628 104.2@68.532,68.024 71.295,68.024 v1(72.517,66.802) ; BMP180.2@69.714,83.956 BMP180.3@68.653,82.896 69.215,82.334 69.215,81.504 4K7.1@68.532,80.82 4K7.1@67.262,79.55 67.262,78.087 104.2@68.483,76.865 v1(69.342,77.724) 70.106,78.488 TJA1051.5@70.968,78.488 ; 10K.2@78.311,66.119 v2(79.248,67.056) ; 104.2@78.359,94.361 v3(81.407,94.361) ; 104.2@83.396,101.8 SDCARD.4@83.396,104.394 ; pad.28@84.201,58.039 84.231,58.009 GPS.4@84.231,53.467 ; 104.2@91.392,65.865 94.488,62.768 94.488,60.198 ; 107.1@92.821,58.563 92.853,58.563 94.488,60.198 ; v1@97.853,66.865 98.552,67.564 99.628,67.564 104.1@103.789,63.403 ; 104.2@99.792,74.96 100.27,75.438 101.346,75.438 102.561,74.223 EEPROM.8@102.561,69.949 ; ST7789.2@100.385,53.522 100.385,54.301 94.488,60.198 ; 103.251,87.757 104.267,86.741 104.267,84.963 103.632,84.328 103.632,82.042 104.902,80.772 v1@104.902,79.248 ; FLASH.3@106.747,76.523 104.902,78.368 v1@104.902,79.248 ; 4K7.1@112.22,72.85 4K7.1@109.934,75.136 109.934,77.645 108.331,79.248 v1(105.283,79.248) v1@104.902,79.248 ; 64.008,90.424 v1(64.008,88.646) 62.626,88.646 C17.1@62.499,88.773 62.499,90.409 104.1@62.514,90.424 64.008,90.424
  Top Layer w1: 104.1@95.266,89.392 96.689,90.814 107.1@97.273,90.814 97.917,91.459 97.917,91.821 v1(96.647,93.091) 97.409,93.091 97.663,93.345 103.251,87.757
  Bottom Layer w0.3: 103.981,70.326 103.981,69.755 104.902,68.834 v1@109.093,68.834 ; 107.981,69.946 v1@109.093,68.834 ; v1(109.474,68.834) v1@109.093,68.834
  Bottom Layer w0.5: v1(61.722,92.456) 61.146,92.456 61.058,92.544 59.602,92.544 59.182,92.964 59.182,97.409 pad.22@60.198,98.425 59.055,99.568 59.055,104.648 59.436,105.029 63.373,105.029 64.516,106.172 64.516,114.681 65.532,115.697 72.263,115.697 77.694,110.266 R27.1@79.375,110.266 R27.1@81.026,110.266 R26.1@82.677,110.266 R25.1@84.328,110.266 5X10K.1@85.979,110.266 85.979,110.49 88.773,113.284 91.059,113.284 92.075,112.268 92.075,103.886 ; v1(64.008,88.646) 63.5,88.646 62.865,88.011 62.865,80.137 63.754,79.248 67.818,79.248 v1(69.342,77.724) 68.199,76.581 v1(68.199,72.644) ; 104.2@65.151,99.598 pad.21@65.151,100.584 ; 104.2@65.151,101.458 pad.21@65.151,100.584 ; 66.294,102.489 pad.21@66.294,100.457 ; 107.1@67.818,108.204 67.942,108.08 3V3.5@67.942,106.106 66.736,106.106 66.36,105.73 66.36,102.423 3V3.5@67.942,102.423 ; 3V3.5@67.942,98.74 66.741,98.74 66.294,99.187 pad.21@66.294,100.457 ; v1(72.517,66.802) 73.914,65.405 76.073,65.405 77.724,67.056 v2(79.248,67.056) 79.248,64.389 76.708,61.849 69.088,61.849 67.564,60.325 67.564,51.435 68.453,50.546 83.312,50.546 84.201,51.435 84.201,56.134 ; 77.343,101.6 79.629,103.886 83.439,103.886 ; v1(81.28,98.425) 80.772,98.425 80.01,99.187 80.01,101.854 80.899,102.743 v1(83.439,102.743) 83.439,103.886 ; 88.328,53.785 88.486,53.627 89.248,53.627 ; v1(89.408,81.915) 91.313,83.82 v1(91.313,92.71) 91.313,95.885 93.218,97.79 98.425,97.79 ; 89.98,52.578 89.98,52.895 ; 93.726,69.85 v1(86.868,62.992) 84.709,62.992 84.074,62.357 84.074,58.166 pad.28@84.201,58.039 84.201,56.134 ; ESP8266-07.8@93.964,71.606 93.964,72.374 96.52,74.93 101.727,74.93 pad.16@102.743,73.914 102.743,76.708 v1(105.283,79.248) 103.769,80.762 v1(99.814,80.762) ; DS1307.3@95.192,61.468 96.774,61.468 99.314,58.928 DS1307.8@100.642,58.928 100.385,58.671 ST7789.2@100.385,53.522 100.711,53.196 100.711,50.673 100.33,50.292 92.583,50.292 90.345,52.53 90.138,52.737 89.98,52.895 ; v1(97.79,66.929) 100.584,66.929 103.981,70.326 ; 98.425,98.806 94.869,102.362 ; pad.16@102.933,74.105 103.981,73.057 ESP8266-07.3@103.981,71.628 103.981,70.453 ; v1(103.505,102.362) 94.869,102.362 ; 107.981,69.946 ESP8266-07.1@107.981,71.628 ; pad.21@65.151,100.584 66.167,100.584 pad.21@66.294,100.457 ; 83.439,103.886 92.075,103.886 ; 84.201,56.134 86.106,54.229 88.646,54.229 89.248,53.627 ; 89.248,53.627 89.98,52.895 ; 92.075,103.886 92.456,103.886 93.98,102.362 94.869,102.362
  Bottom Layer w1: 77.343,101.6 77.343,94.615 77.724,94.234 v3@81.407,94.234 ; v1(96.647,93.091) 98.425,94.869 98.425,97.79 98.425,98.806
pads on no net: 1V8.4 3V3.4 BMP180.1 BMP180.4 BUZZER.3 CAN.@62.327,66.696 CAN.@62.327,72.496 DS1307.7 ESP8266-07.2 ESP8266-07.4 ESP8266-07.5 ESP8266-07.6 ESP8266-07.7 ESP8266-07.13 ESP8266-07.14 GPS.@83.206,52.167 GPS.@89.006,52.167 GSM.@110.52,92.35 GSM.@110.52,98.15 HMC5883L.3 HMC5883L.5 HMC5883L.6 HMC5883L.7 HMC5883L.14 HMC5883L.15 MAX30102.1 MAX30102.5 MAX30102.6 MAX30102.7 MAX30102.8 MAX30102.13 MAX30102.14 MPU6050.2 MPU6050.3 MPU6050.4 MPU6050.5 MPU6050.6 MPU6050.7 MPU6050.12 MPU6050.14 MPU6050.15 MPU6050.16 MPU6050.17 MPU6050.19 MPU6050.21 MPU6050.22 PROG.@110.617,101.261 PROG.@110.617,107.061 RGB1.2 SDCARD.0 SDCARD.9 SHT20.3 SHT20.4 TP4056.1 USB. USB.A5 USB.B5

## Keep-outs
Keep-Out Layer:
  lines w0.254: 53.594,49.911 54.102,48.387 ; 53.594,114.681 54.102,116.205 ; 53.848,48.387 54.356,48.387 ; 53.848,116.205 54.356,116.205 ; 54.102,74.399 54.102,48.387 ; 54.102,90.193 54.102,116.205 ; 54.61,49.911 54.102,48.387 ; 54.61,114.681 54.102,116.205 ; 58.339,46.045 58.34,46.553 ; 59.862,45.788 58.339,46.299 ; 59.864,46.804 58.339,46.299 ; 78.234,46.254 58.339,46.299 ; 94.282,46.217 114.177,46.172 ; 112.652,45.667 114.177,46.172 ; 112.654,46.683 114.177,46.172 ; 114.176,45.918 114.177,46.426
  text "67.818 (mm)" at 55.016,74.653 h1.52 r90
  text "55.838 (mm)" at 78.486,45.339 h1.52 r359.87